# Altium PCB Connect.PcbDoc (part 1 of 2)
Units mm, origin at the board's own origin, x right, y up, seen from the top; angles counter-clockwise.
Board outline 480 x 50 mm, 2 copper layers (Top Layer, Bottom Layer); 349 components, 200 nets, 1147 pads, 734 vias.
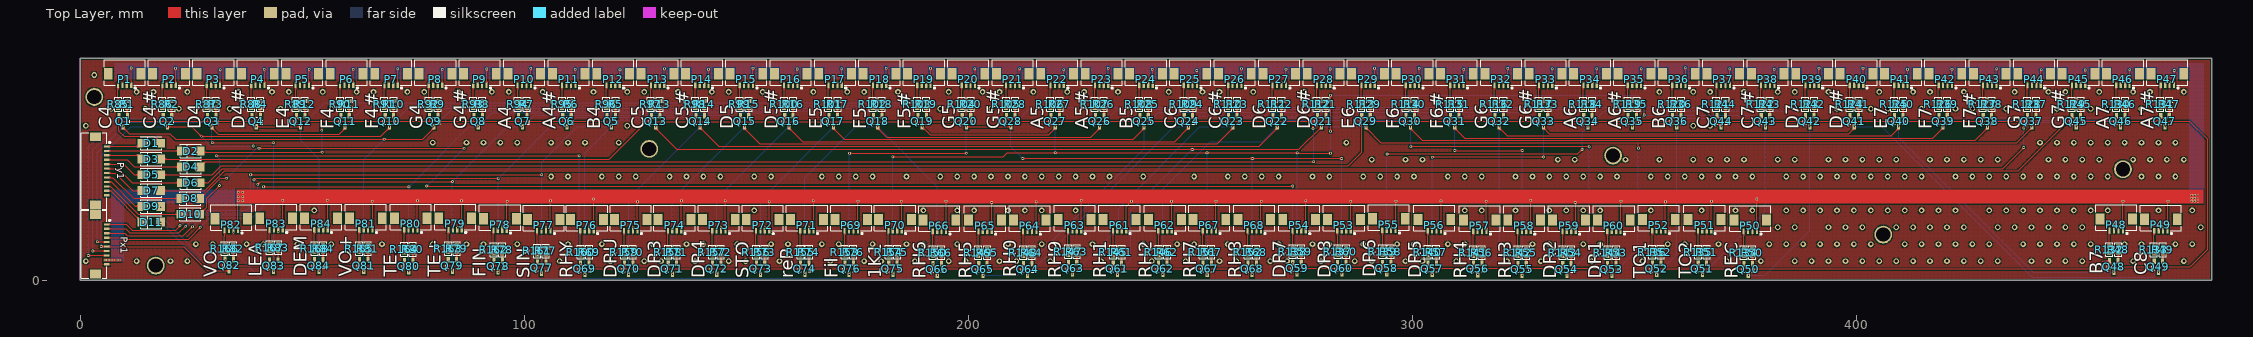
[diagram p0: Top Layer view]
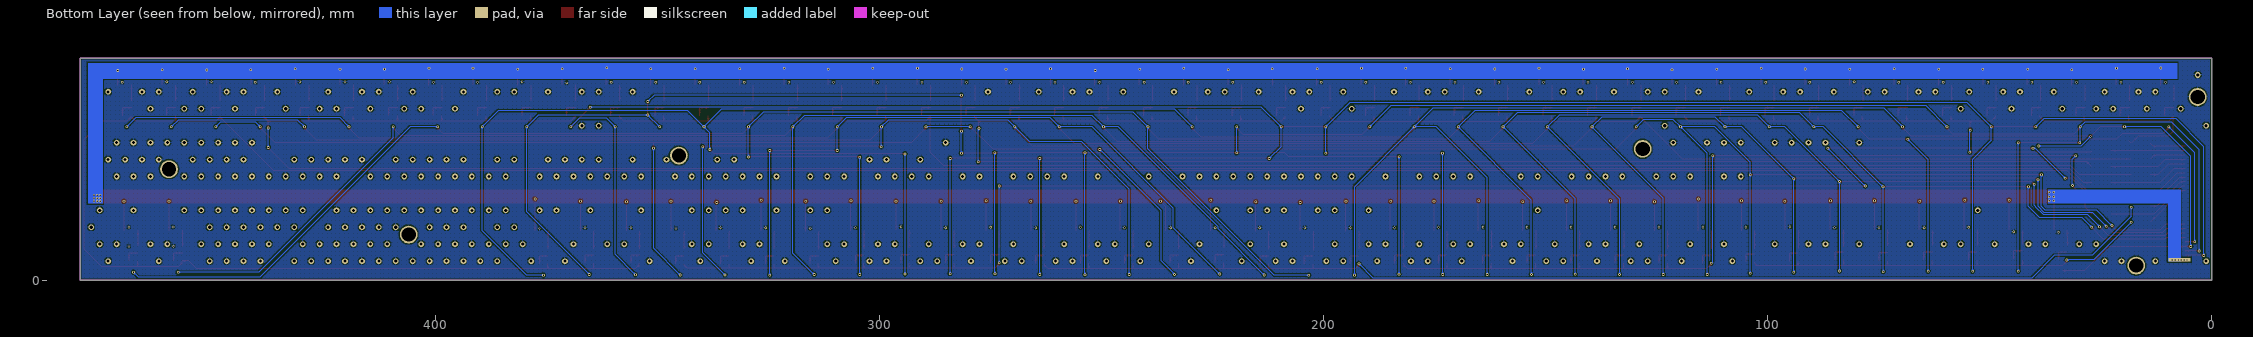
[diagram p1: Bottom Layer view, seen from below]
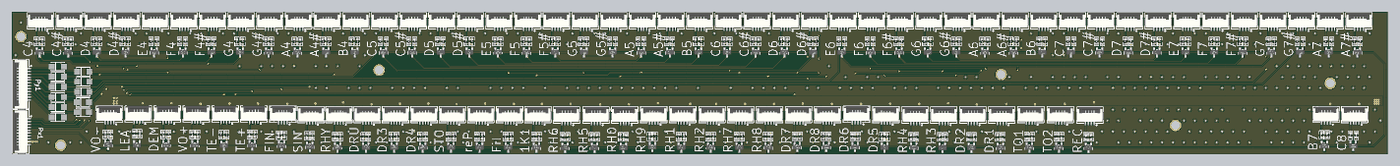
[diagram p3: 3D render of the assembled board from above, using the file's embedded part models]

## Layer stack, top to bottom
Top Solder: solder mask 0.0102, Solder Resist, Dk 3.5
Top Layer: signal copper 0.0356
Dielectric 1: dielectric 0.32, FR-4, Dk 4.8
Bottom Layer: signal copper 0.0356
Bottom Solder: solder mask 0.0102, Solder Resist, Dk 3.5

## Board outline
0,0 0,50 480,50 480,0

## Design rules (kind name [scope] priority, off if disabled: settings)
Clearance [All] p1: gap=0.254
PolygonConnect [All] p1: connectstyle=Relief reliefconductorwidth=0.254 reliefentries=4 polygonreliefangle="90 Angle" airgapwidth=0.254
RoutingVias [All] p1: holewidth=0.3 width=0.6 viastyle="Through Hole" minholewidth=0.3 minwidth=0.6 maxholewidth=0.711 maxwidth=1.27
SolderMaskExpansion [All] p1: expansion=0.102
Width [All] p1: maxlimit=0.254 minlimit=0.254 preferedwidth=0.254
30 further rules are at their usual default settings.

## Classes and differential pairs
component class CONNECT2: P1 P2 P3 P4 P5 P6 P7 P8 P9 P10 P11 P12 P13 P14 P15 P16 P17 P18 P19 P20 R85 R86 R87 R88 R89 R90 R91 R92 R93 R94 R95 R96 R97 R98 R99 R100 R101 R102 R103 R104
component class CONNECT: P21 P22 P23 P24 P25 P26 P27 P28 P29 P30 P31 P32 P33 P34 P35 P36 P37 P38 P39 P40 P41 P42 P43 P44 P45 P46 P47 P48 P49 P50 P51 P52 P53 P54 P55 P56 P57 P58 P59 P60 P61 P62 P63 P64 P65 P66 P67 P68 P69 P70 P71 P72 P73 P74 P75 P76 P77 P78 P79 P80 P81 P82 P83 P84 R105 R106 R107 R108 R109 R110 R111 R112 R113 R114 R115 R116 R117 R118 R119 R120 R121 R122 R123 R124 R125 R126 R127 R128 R129 R130 R131 R132 R133 R134 R135 R136 R137 R138 R139 R140 R141 R142 R143 R144 R145 R146 R147 R148 R149 R150 R151 R152 R153 R154 R155 R156 R157 R158 R159 R160 R161 R163 R164 R165 R166 R167 R168
component class Sheet3: D1 D2 D3 D4 D5 D6 D7 D8 D9 D10 D11 Px1 Py1 Q1 Q2 Q3 Q4 Q5 Q6 Q7 Q8 Q9 Q10 Q11 Q12 Q13 Q14 Q15 Q16 Q17 Q18 Q19 Q20 Q21 Q22 Q23 Q24 Q25 Q26 Q27 Q28 Q29 Q30 Q31 Q32 Q33 Q34 Q35 Q36 Q37 Q38 Q39 Q40 Q41 Q42 Q43 Q44 Q45 Q46 Q47 Q48 Q49 Q50 Q51 Q52 Q53 Q54 Q55 Q56 Q57 Q58 Q59 Q60 Q61 Q62 Q63 Q64 Q65 Q66 Q67 Q68 Q69 Q70 Q71 Q72 Q73 Q74 Q75 Q76 Q77 Q79 Q80 Q81 Q82 Q83 Q84 R1 R2 R3 R4 R5 R6 R7 R8 R9 R10 R11 R12 R13 R14 R15 R16 R17 R18 R19 R20 R21 R22 R23 R24 R25 R26 R27 R28 R29 R30 R31 R32 R33 R34 R35 R36 R37 R38 R39 R40 R41 R42 R43 R44 R45 R46 R47 R48 R49 R50 R51 R52 R53 R54 R55 R56 R57 R58 R59 R60 R61 R62 R63 R64 R65 R66 R67 R68 R69 R70 R71 R72 R73 R74 R75 R76 R77 R79 R80 R81 R82 R83 R84

## Components (designator, comment, footprint, x,y, rotation, side; value= is the part's Value field where it differs from the comment)
D1 "M7" SMA(DO-214AC)_S1 16.002,30.861 r0 top
D2 "M7" SMA(DO-214AC)_S1 24.892,29.083 r0 top
D3 "M7" SMA(DO-214AC)_S1 16.002,27.305 r0 top
D4 "M7" SMA(DO-214AC)_S1 24.892,25.527 r0 top
D5 "M7" SMA(DO-214AC)_S1 16.002,23.749 r0 top
D6 "M7" SMA(DO-214AC)_S1 24.892,21.971 r0 top
D7 "M7" SMA(DO-214AC)_S1 16.002,20.193 r0 top
D8 "M7" SMA(DO-214AC)_S1 24.765,18.415 r0 top
D9 "M7" SMA(DO-214AC)_S1 16.002,16.637 r0 top
D10 "M7" SMA(DO-214AC)_S1 24.765,14.859 r0 top
D11 "M7" SMA(DO-214AC)_S1 16.002,13.081 r0 top
P1 "Header 4" FPC1.0-2H-WS-4P 10,46.5 r180 top
P2 "Header 4" FPC1.0-2H-WS-4P 20,46.5 r180 top
P3 "Header 4" FPC1.0-2H-WS-4P 30,46.5 r180 top
P4 "Header 4" FPC1.0-2H-WS-4P 40,46.5 r180 top
P5 "Header 4" FPC1.0-2H-WS-4P 50,46.5 r180 top
P6 "Header 4" FPC1.0-2H-WS-4P 60,46.5 r180 top
P7 "Header 4" FPC1.0-2H-WS-4P 70,46.5 r180 top
P8 "Header 4" FPC1.0-2H-WS-4P 80,46.5 r180 top
P9 "Header 4" FPC1.0-2H-WS-4P 90,46.5 r180 top
P10 "Header 4" FPC1.0-2H-WS-4P 100,46.5 r180 top
P11 "Header 4" FPC1.0-2H-WS-4P 110,46.5 r180 top
P12 "Header 4" FPC1.0-2H-WS-4P 120,46.5 r180 top
P13 "Header 4" FPC1.0-2H-WS-4P 130,46.5 r180 top
P14 "Header 4" FPC1.0-2H-WS-4P 140,46.5 r180 top
P15 "Header 4" FPC1.0-2H-WS-4P 150,46.5 r180 top
P16 "Header 4" FPC1.0-2H-WS-4P 160,46.5 r180 top
P17 "Header 4" FPC1.0-2H-WS-4P 170,46.5 r180 top
P18 "Header 4" FPC1.0-2H-WS-4P 180,46.5 r180 top
P19 "Header 4" FPC1.0-2H-WS-4P 190,46.5 r180 top
P20 "Header 4" FPC1.0-2H-WS-4P 200,46.5 r180 top
P21 "Header 4" FPC1.0-2H-WS-4P 210,46.5 r180 top
P22 "Header 4" FPC1.0-2H-WS-4P 220,46.5 r180 top
P23 "Header 4" FPC1.0-2H-WS-4P 230,46.5 r180 top
P24 "Header 4" FPC1.0-2H-WS-4P 240,46.5 r180 top
P25 "Header 4" FPC1.0-2H-WS-4P 250,46.5 r180 top
P26 "Header 4" FPC1.0-2H-WS-4P 260,46.5 r180 top
P27 "Header 4" FPC1.0-2H-WS-4P 270,46.5 r180 top
P28 "Header 4" FPC1.0-2H-WS-4P 280,46.5 r180 top
P29 "Header 4" FPC1.0-2H-WS-4P 290,46.5 r180 top
P30 "Header 4" FPC1.0-2H-WS-4P 300,46.5 r180 top
P31 "Header 4" FPC1.0-2H-WS-4P 310,46.5 r180 top
P32 "Header 4" FPC1.0-2H-WS-4P 320,46.5 r180 top
P33 "Header 4" FPC1.0-2H-WS-4P 330,46.5 r180 top
P34 "Header 4" FPC1.0-2H-WS-4P 340,46.5 r180 top
P35 "Header 4" FPC1.0-2H-WS-4P 350,46.5 r180 top
P36 "Header 4" FPC1.0-2H-WS-4P 360,46.5 r180 top
P37 "Header 4" FPC1.0-2H-WS-4P 370,46.5 r180 top
P38 "Header 4" FPC1.0-2H-WS-4P 380,46.5 r180 top
P39 "Header 4" FPC1.0-2H-WS-4P 390,46.5 r180 top
P40 "Header 4" FPC1.0-2H-WS-4P 400,46.5 r180 top
P41 "Header 4" FPC1.0-2H-WS-4P 410,46.5 r180 top
P42 "Header 4" FPC1.0-2H-WS-4P 420,46.5 r180 top
P43 "Header 4" FPC1.0-2H-WS-4P 430,46.5 r180 top
P44 "Header 4" FPC1.0-2H-WS-4P 440,46.5 r180 top
P45 "Header 4" FPC1.0-2H-WS-4P 450,46.5 r180 top
P46 "Header 4" FPC1.0-2H-WS-4P 460,46.5 r180 top
P47 "Header 4" FPC1.0-2H-WS-4P 470,46.5 r180 top
P48 "Header 4" FPC1.0-2H-WS-4P 458.494,13.777 r180 top
P49 "Header 4" FPC1.0-2H-WS-4P 468.537,13.734 r180 top
P50 "Header 4" FPC1.0-2H-WS-4P 376.081,13.589 r180 top
P51 "Header 4" FPC1.0-2H-WS-4P 365.777,13.716 r180 top
P52 "Header 4" FPC1.0-2H-WS-4P 355.481,13.716 r180 top
P53 "Header 4" FPC1.0-2H-WS-4P 284.586,13.716 r180 top
P54 "Header 4" FPC1.0-2H-WS-4P 274.476,13.716 r180 top
P55 "Header 4" FPC1.0-2H-WS-4P 294.695,13.843 r180 top
P56 "Header 4" FPC1.0-2H-WS-4P 304.932,13.716 r180 top
P57 "Header 4" FPC1.0-2H-WS-4P 315.169,13.589 r180 top
P58 "Header 4" FPC1.0-2H-WS-4P 325.152,13.589 r180 top
P59 "Header 4" FPC1.0-2H-WS-4P 335.261,13.589 r180 top
P60 "Header 4" FPC1.0-2H-WS-4P 345.371,13.589 r180 top
P61 "Header 4" FPC1.0-2H-WS-4P 234.037,13.716 r180 top
P62 "Header 4" FPC1.0-2H-WS-4P 244.274,13.716 r180 top
P63 "Header 4" FPC1.0-2H-WS-4P 223.928,13.716 r180 top
P64 "Header 4" FPC1.0-2H-WS-4P 213.818,13.589 r180 top
P65 "Header 4" FPC1.0-2H-WS-4P 203.754,13.589 r180 top
P66 "Header 4" FPC1.0-2H-WS-4P 193.472,13.589 r180 top
P67 "Header 4" FPC1.0-2H-WS-4P 254.257,13.716 r180 top
P68 "Header 4" FPC1.0-2H-WS-4P 264.366,13.716 r180 top
P69 "Header 4" FPC1.0-2H-WS-4P 173.633,13.716 r180 top
P70 "Header 4" FPC1.0-2H-WS-4P 183.489,13.716 r180 top
P71 "Header 4" FPC1.0-2H-WS-4P 163.651,13.716 r180 top
P72 "Header 4" FPC1.0-2H-WS-4P 153.668,13.716 r180 top
P73 "Header 4" FPC1.0-2H-WS-4P 143.812,13.716 r180 top
P74 "Header 4" FPC1.0-2H-WS-4P 133.83,13.716 r180 top
P75 "Header 4" FPC1.0-2H-WS-4P 123.974,13.716 r180 top
P76 "Header 4" FPC1.0-2H-WS-4P 114.118,13.716 r180 top
P77 "Header 4" FPC1.0-2H-WS-4P 104.39,13.716 r180 top
P78 "Header 4" FPC1.0-2H-WS-4P 94.534,13.843 r180 top
P79 "Header 4" FPC1.0-2H-WS-4P 84.424,13.97 r180 top
P80 "Header 4" FPC1.0-2H-WS-4P 74.442,13.97 r180 top
P81 "Header 4" FPC1.0-2H-WS-4P 64.332,13.97 r180 top
P82 "Header 4" FPC1.0-2H-WS-4P 34.003,13.843 r180 top
P83 "Header 4" FPC1.0-2H-WS-4P 44.113,13.97 r180 top
P84 "Header 4" FPC1.0-2H-WS-4P 54.222,13.97 r180 top
Px1 "Header 10" FPC1.0-2H-WS-10P 3.429,8.087 r270 top
Py1 "Header 12" FPC1.0-2H-WS-12P 3.429,24.638 r270 top
Q1 "SS8050 Y1" SOT-23(SOT-23-3) 9.652,35.814 r90 top
Q2 "SS8050 Y1" SOT-23(SOT-23-3) 19.648,35.814 r90 top
Q3 "SS8050 Y1" SOT-23(SOT-23-3) 29.644,35.814 r90 top
Q4 "SS8050 Y1" SOT-23(SOT-23-3) 39.64,35.814 r90 top
Q5 "SS8050 Y1" SOT-23(SOT-23-3) 119.608,35.814 r90 top
Q6 "SS8050 Y1" SOT-23(SOT-23-3) 109.612,35.814 r90 top
Q7 "SS8050 Y1" SOT-23(SOT-23-3) 99.616,35.814 r90 top
Q8 "SS8050 Y1" SOT-23(SOT-23-3) 89.62,35.814 r90 top
Q9 "SS8050 Y1" SOT-23(SOT-23-3) 79.624,35.814 r90 top
Q10 "SS8050 Y1" SOT-23(SOT-23-3) 69.628,35.814 r90 top
Q11 "SS8050 Y1" SOT-23(SOT-23-3) 59.632,35.814 r90 top
Q12 "SS8050 Y1" SOT-23(SOT-23-3) 49.636,35.814 r90 top
Q13 "SS8050 Y1" SOT-23(SOT-23-3) 129.603,35.814 r90 top
Q14 "SS8050 Y1" SOT-23(SOT-23-3) 139.599,35.814 r90 top
Q15 "SS8050 Y1" SOT-23(SOT-23-3) 149.595,35.814 r90 top
Q16 "SS8050 Y1" SOT-23(SOT-23-3) 159.591,35.814 r90 top
Q17 "SS8050 Y1" SOT-23(SOT-23-3) 169.587,35.814 r90 top
Q18 "SS8050 Y1" SOT-23(SOT-23-3) 179.583,35.814 r90 top
Q19 "SS8050 Y1" SOT-23(SOT-23-3) 189.579,35.814 r90 top
Q20 "SS8050 Y1" SOT-23(SOT-23-3) 199.575,35.814 r90 top
Q21 "SS8050 Y1" SOT-23(SOT-23-3) 279.543,35.814 r90 top
Q22 "SS8050 Y1" SOT-23(SOT-23-3) 269.547,35.814 r90 top
Q23 "SS8050 Y1" SOT-23(SOT-23-3) 259.551,35.814 r90 top
Q24 "SS8050 Y1" SOT-23(SOT-23-3) 249.555,35.814 r90 top
Q25 "SS8050 Y1" SOT-23(SOT-23-3) 239.559,35.814 r90 top
Q26 "SS8050 Y1" SOT-23(SOT-23-3) 229.563,35.814 r90 top
Q27 "SS8050 Y1" SOT-23(SOT-23-3) 219.567,35.814 r90 top
Q28 "SS8050 Y1" SOT-23(SOT-23-3) 209.571,35.814 r90 top
Q29 "SS8050 Y1" SOT-23(SOT-23-3) 289.539,35.814 r90 top
Q30 "SS8050 Y1" SOT-23(SOT-23-3) 299.535,35.814 r90 top
Q31 "SS8050 Y1" SOT-23(SOT-23-3) 309.531,35.814 r90 top
Q32 "SS8050 Y1" SOT-23(SOT-23-3) 319.527,35.814 r90 top
Q33 "SS8050 Y1" SOT-23(SOT-23-3) 329.523,35.814 r90 top
Q34 "SS8050 Y1" SOT-23(SOT-23-3) 339.519,35.814 r90 top
Q35 "SS8050 Y1" SOT-23(SOT-23-3) 349.515,35.814 r90 top
Q36 "SS8050 Y1" SOT-23(SOT-23-3) 359.51,35.814 r90 top
Q37 "SS8050 Y1" SOT-23(SOT-23-3) 439.478,35.814 r90 top
Q38 "SS8050 Y1" SOT-23(SOT-23-3) 429.482,35.814 r90 top
Q39 "SS8050 Y1" SOT-23(SOT-23-3) 419.486,35.814 r90 top
Q40 "SS8050 Y1" SOT-23(SOT-23-3) 409.49,35.814 r90 top
Q41 "SS8050 Y1" SOT-23(SOT-23-3) 399.494,35.814 r90 top
Q42 "SS8050 Y1" SOT-23(SOT-23-3) 389.498,35.814 r90 top
Q43 "SS8050 Y1" SOT-23(SOT-23-3) 379.502,35.814 r90 top
Q44 "SS8050 Y1" SOT-23(SOT-23-3) 369.506,35.814 r90 top
Q45 "SS8050 Y1" SOT-23(SOT-23-3) 449.474,35.814 r90 top
Q46 "SS8050 Y1" SOT-23(SOT-23-3) 459.47,35.814 r90 top
Q47 "SS8050 Y1" SOT-23(SOT-23-3) 469.466,35.814 r90 top
Q48 "SS8050 Y1" SOT-23(SOT-23-3) 457.956,3.091 r90 top
Q49 "SS8050 Y1" SOT-23(SOT-23-3) 467.995,3.048 r90 top
Q50 "SS8050 Y1" SOT-23(SOT-23-3) 375.614,2.433 r90 top
Q51 "SS8050 Y1" SOT-23(SOT-23-3) 365.31,2.56 r90 top
Q52 "SS8050 Y1" SOT-23(SOT-23-3) 355.013,2.56 r90 top
Q53 "SS8050 Y1" SOT-23(SOT-23-3) 344.903,2.433 r90 top
Q54 "SS8050 Y1" SOT-23(SOT-23-3) 334.793,2.433 r90 top
Q55 "SS8050 Y1" SOT-23(SOT-23-3) 324.683,2.433 r90 top
Q56 "SS8050 Y1" SOT-23(SOT-23-3) 314.706,2.54 r90 top
Q57 "SS8050 Y1" SOT-23(SOT-23-3) 304.463,2.56 r90 top
Q58 "SS8050 Y1" SOT-23(SOT-23-3) 294.226,2.687 r90 top
Q59 "SS8050 Y1" SOT-23(SOT-23-3) 274.007,2.687 r90 top
Q60 "SS8050 Y1" SOT-23(SOT-23-3) 284.117,2.687 r90 top
Q61 "SS8050 Y1" SOT-23(SOT-23-3) 233.567,2.56 r90 top
Q62 "SS8050 Y1" SOT-23(SOT-23-3) 243.804,2.56 r90 top
Q63 "SS8050 Y1" SOT-23(SOT-23-3) 223.457,2.687 r90 top
Q64 "SS8050 Y1" SOT-23(SOT-23-3) 213.347,2.433 r90 top
Q65 "SS8050 Y1" SOT-23(SOT-23-3) 203.283,2.433 r90 top
Q66 "SS8050 Y1" SOT-23(SOT-23-3) 193,2.433 r90 top
Q67 "SS8050 Y1" SOT-23(SOT-23-3) 253.787,2.56 r90 top
Q68 "SS8050 Y1" SOT-23(SOT-23-3) 263.897,2.56 r90 top
Q69 "SS8050 Y1" SOT-23(SOT-23-3) 113.645,2.56 r90 top
Q70 "SS8050 Y1" SOT-23(SOT-23-3) 123.501,2.56 r90 top
Q71 "SS8050 Y1" SOT-23(SOT-23-3) 133.357,2.56 r90 top
Q72 "SS8050 Y1" SOT-23(SOT-23-3) 143.34,2.56 r90 top
Q73 "SS8050 Y1" SOT-23(SOT-23-3) 153.196,2.56 r90 top
Q74 "SS8050 Y1" SOT-23(SOT-23-3) 163.179,2.56 r90 top
Q75 "SS8050 Y1" SOT-23(SOT-23-3) 183.018,2.56 r90 top
Q76 "SS8050 Y1" SOT-23(SOT-23-3) 173.162,2.56 r90 top
Q77 "SS8050 Y1" SOT-23(SOT-23-3) 103.916,2.814 r90 top
Q78 "SS8050 Y1" SOT-23(SOT-23-3) 94.107,3.155 r90 top
Q79 "SS8050 Y1" SOT-23(SOT-23-3) 83.824,3.322 r90 top
Q80 "SS8050 Y1" SOT-23(SOT-23-3) 73.968,3.195 r90 top
Q81 "SS8050 Y1" SOT-23(SOT-23-3) 63.858,3.322 r90 top
Q82 "SS8050 Y1" SOT-23(SOT-23-3) 33.528,3.429 r90 top
Q83 "SS8050 Y1" SOT-23(SOT-23-3) 43.561,3.282 r90 top
Q84 "SS8050 Y1" SOT-23(SOT-23-3) 53.748,3.322 r90 top
R1 "10KΩ (1002) ±1%" 0603_R 10.561,39.624 r270 top
R2 "10KΩ (1002) ±1%" 0603_R 20.559,39.624 r270 top
R3 "10KΩ (1002) ±1%" 0603_R 30.557,39.624 r270 top
R4 "10KΩ (1002) ±1%" 0603_R 40.556,39.624 r270 top
R5 "10KΩ (1002) ±1%" 0603_R 120.541,39.624 r270 top
R6 "10KΩ (1002) ±1%" 0603_R 110.543,39.624 r270 top
R7 "10KΩ (1002) ±1%" 0603_R 100.545,39.624 r270 top
R8 "10KΩ (1002) ±1%" 0603_R 90.547,39.624 r270 top
R9 "10KΩ (1002) ±1%" 0603_R 80.548,39.624 r270 top
R10 "10KΩ (1002) ±1%" 0603_R 70.55,39.624 r270 top
R11 "10KΩ (1002) ±1%" 0603_R 60.552,39.624 r270 top
R12 "10KΩ (1002) ±1%" 0603_R 50.554,39.624 r270 top
R13 "10KΩ (1002) ±1%" 0603_R 130.539,39.624 r270 top
R14 "10KΩ (1002) ±1%" 0603_R 140.537,39.624 r270 top
R15 "10KΩ (1002) ±1%" 0603_R 150.536,39.624 r270 top
R16 "10KΩ (1002) ±1%" 0603_R 160.534,39.624 r270 top
R17 "10KΩ (1002) ±1%" 0603_R 170.532,39.624 r270 top
R18 "10KΩ (1002) ±1%" 0603_R 180.53,39.624 r270 top
R19 "10KΩ (1002) ±1%" 0603_R 190.528,39.624 r270 top
R20 "10KΩ (1002) ±1%" 0603_R 200.527,39.624 r270 top
R21 "10KΩ (1002) ±1%" 0603_R 280.512,39.624 r270 top
R22 "10KΩ (1002) ±1%" 0603_R 270.514,39.624 r270 top
R23 "10KΩ (1002) ±1%" 0603_R 260.516,39.624 r270 top
R24 "10KΩ (1002) ±1%" 0603_R 250.518,39.624 r270 top
R25 "10KΩ (1002) ±1%" 0603_R 240.519,39.624 r270 top
R26 "10KΩ (1002) ±1%" 0603_R 230.521,39.624 r270 top
R27 "10KΩ (1002) ±1%" 0603_R 220.523,39.624 r270 top
R28 "10KΩ (1002) ±1%" 0603_R 210.525,39.624 r270 top
R29 "10KΩ (1002) ±1%" 0603_R 290.51,39.624 r270 top
R30 "10KΩ (1002) ±1%" 0603_R 300.508,39.624 r270 top
R31 "10KΩ (1002) ±1%" 0603_R 310.507,39.624 r270 top
R32 "10KΩ (1002) ±1%" 0603_R 320.505,39.624 r270 top
R33 "10KΩ (1002) ±1%" 0603_R 330.503,39.624 r270 top
R34 "10KΩ (1002) ±1%" 0603_R 340.501,39.624 r270 top
R35 "10KΩ (1002) ±1%" 0603_R 350.499,39.624 r270 top
R36 "10KΩ (1002) ±1%" 0603_R 360.498,39.624 r270 top
R37 "10KΩ (1002) ±1%" 0603_R 440.483,39.624 r270 top
R38 "10KΩ (1002) ±1%" 0603_R 430.485,39.624 r270 top
R39 "10KΩ (1002) ±1%" 0603_R 420.487,39.624 r270 top
R40 "10KΩ (1002) ±1%" 0603_R 410.489,39.624 r270 top
R41 "10KΩ (1002) ±1%" 0603_R 400.49,39.624 r270 top
R42 "10KΩ (1002) ±1%" 0603_R 390.492,39.624 r270 top
R43 "10KΩ (1002) ±1%" 0603_R 380.494,39.624 r270 top
R44 "10KΩ (1002) ±1%" 0603_R 370.496,39.624 r270 top
R45 "10KΩ (1002) ±1%" 0603_R 450.481,39.624 r270 top
R46 "10KΩ (1002) ±1%" 0603_R 460.479,39.624 r270 top
R47 "10KΩ (1002) ±1%" 0603_R 470.478,39.624 r270 top
R48 "10KΩ (1002) ±1%" 0603_R 458.97,6.901 r270 top
R49 "10KΩ (1002) ±1%" 0603_R 469.011,6.858 r270 top
R50 "10KΩ (1002) ±1%" 0603_R 376.555,6.223 r270 top
R51 "10KΩ (1002) ±1%" 0603_R 366.251,6.35 r270 top
R52 "10KΩ (1002) ±1%" 0603_R 355.953,6.35 r270 top
R53 "10KΩ (1002) ±1%" 0603_R 345.843,6.223 r270 top
R54 "10KΩ (1002) ±1%" 0603_R 335.732,6.223 r270 top
R55 "10KΩ (1002) ±1%" 0603_R 325.622,6.223 r270 top
R56 "10KΩ (1002) ±1%" 0603_R 315.639,6.223 r270 top
R57 "10KΩ (1002) ±1%" 0603_R 305.401,6.35 r270 top
R58 "10KΩ (1002) ±1%" 0603_R 295.164,6.477 r270 top
R59 "10KΩ (1002) ±1%" 0603_R 274.943,6.477 r270 top
R60 "10KΩ (1002) ±1%" 0603_R 285.054,6.477 r270 top
R61 "10KΩ (1002) ±1%" 0603_R 234.502,6.35 r270 top
R62 "10KΩ (1002) ±1%" 0603_R 244.739,6.35 r270 top
R63 "10KΩ (1002) ±1%" 0603_R 224.391,6.477 r270 top
R64 "10KΩ (1002) ±1%" 0603_R 214.281,6.223 r270 top
R65 "10KΩ (1002) ±1%" 0603_R 204.216,6.223 r270 top
R66 "10KΩ (1002) ±1%" 0603_R 193.933,6.223 r270 top
R67 "10KΩ (1002) ±1%" 0603_R 254.723,6.35 r270 top
R68 "10KΩ (1002) ±1%" 0603_R 264.833,6.35 r270 top
R69 "10KΩ (1002) ±1%" 0603_R 114.574,6.35 r270 top
R70 "10KΩ (1002) ±1%" 0603_R 124.431,6.35 r270 top
R71 "10KΩ (1002) ±1%" 0603_R 134.287,6.35 r270 top
R72 "10KΩ (1002) ±1%" 0603_R 144.271,6.35 r270 top
R73 "10KΩ (1002) ±1%" 0603_R 154.127,6.35 r270 top
R74 "10KΩ (1002) ±1%" 0603_R 164.11,6.35 r270 top
R75 "10KΩ (1002) ±1%" 0603_R 183.95,6.35 r270 top
R76 "10KΩ (1002) ±1%" 0603_R 174.094,6.35 r270 top
R77 "10KΩ (1002) ±1%" 0603_R 104.845,6.604 r270 top
R78 "10KΩ (1002) ±1%" 0603_R 94.989,6.858 r270 top
R79 "10KΩ (1002) ±1%" 0603_R 84.751,7.112 r270 top
R80 "10KΩ (1002) ±1%" 0603_R 74.895,6.985 r270 top
R81 "10KΩ (1002) ±1%" 0603_R 64.785,7.112 r270 top
R82 "10KΩ (1002) ±1%" 0603_R 34.454,7.112 r270 top
R83 "10KΩ (1002) ±1%" 0603_R 44.564,7.366 r270 top
R84 "10KΩ (1002) ±1%" 0603_R 54.674,7.112 r270 top
R85 "1KΩ (1001) ±1%" 0603_R 8.509,39.624 r90 top
R86 "1KΩ (1001) ±1%" 0603_R 18.508,39.624 r90 top
R87 "1KΩ (1001) ±1%" 0603_R 28.506,39.624 r90 top
R88 "1KΩ (1001) ±1%" 0603_R 38.505,39.624 r90 top
R89 "1KΩ (1001) ±1%" 0603_R 48.503,39.624 r90 top
R90 "1KΩ (1001) ±1%" 0603_R 58.502,39.624 r90 top
R91 "1KΩ (1001) ±1%" 0603_R 68.501,39.624 r90 top
R92 "1KΩ (1001) ±1%" 0603_R 78.499,39.624 r90 top
R93 "1KΩ (1001) ±1%" 0603_R 88.498,39.624 r90 top
R94 "1KΩ (1001) ±1%" 0603_R 98.496,39.624 r90 top
R95 "1KΩ (1001) ±1%" 0603_R 108.495,39.624 r90 top
R96 "1KΩ (1001) ±1%" 0603_R 118.494,39.624 r90 top
R97 "1KΩ (1001) ±1%" 0603_R 128.492,39.624 r90 top
R98 "1KΩ (1001) ±1%" 0603_R 138.491,39.624 r90 top
R99 "1KΩ (1001) ±1%" 0603_R 148.489,39.624 r90 top
R100 "1KΩ (1001) ±1%" 0603_R 158.488,39.624 r90 top
R101 "1KΩ (1001) ±1%" 0603_R 168.487,39.624 r90 top
R102 "1KΩ (1001) ±1%" 0603_R 178.485,39.624 r90 top
R103 "1KΩ (1001) ±1%" 0603_R 188.484,39.624 r90 top
R104 "1KΩ (1001) ±1%" 0603_R 198.482,39.624 r90 top
R105 "1KΩ (1001) ±1%" 0603_R 208.481,39.624 r90 top
R106 "1KΩ (1001) ±1%" 0603_R 218.48,39.624 r90 top
R107 "1KΩ (1001) ±1%" 0603_R 228.478,39.624 r90 top
R108 "1KΩ (1001) ±1%" 0603_R 238.477,39.624 r90 top
R109 "1KΩ (1001) ±1%" 0603_R 248.475,39.624 r90 top
R110 "1KΩ (1001) ±1%" 0603_R 258.474,39.624 r90 top
R111 "1KΩ (1001) ±1%" 0603_R 268.473,39.624 r90 top
R112 "1KΩ (1001) ±1%" 0603_R 278.471,39.624 r90 top
R113 "1KΩ (1001) ±1%" 0603_R 288.47,39.624 r90 top
R114 "1KΩ (1001) ±1%" 0603_R 298.468,39.624 r90 top
R115 "1KΩ (1001) ±1%" 0603_R 308.467,39.624 r90 top
R116 "1KΩ (1001) ±1%" 0603_R 318.466,39.624 r90 top
R117 "1KΩ (1001) ±1%" 0603_R 328.464,39.624 r90 top
R118 "1KΩ (1001) ±1%" 0603_R 338.463,39.624 r90 top
R119 "1KΩ (1001) ±1%" 0603_R 348.462,39.624 r90 top
R120 "1KΩ (1001) ±1%" 0603_R 358.46,39.624 r90 top
R121 "1KΩ (1001) ±1%" 0603_R 368.459,39.624 r90 top
R122 "1KΩ (1001) ±1%" 0603_R 378.457,39.624 r90 top
R123 "1KΩ (1001) ±1%" 0603_R 388.456,39.624 r90 top
R124 "1KΩ (1001) ±1%" 0603_R 398.455,39.624 r90 top
R125 "1KΩ (1001) ±1%" 0603_R 408.453,39.624 r90 top
R126 "1KΩ (1001) ±1%" 0603_R 418.452,39.624 r90 top
R127 "1KΩ (1001) ±1%" 0603_R 428.45,39.624 r90 top
R128 "1KΩ (1001) ±1%" 0603_R 438.449,39.624 r90 top
R129 "1KΩ (1001) ±1%" 0603_R 448.448,39.624 r90 top
R130 "1KΩ (1001) ±1%" 0603_R 458.446,39.624 r90 top
R131 "1KΩ (1001) ±1%" 0603_R 468.445,39.624 r90 top
R132 "1KΩ (1001) ±1%" 0603_R 456.937,6.901 r90 top
R133 "1KΩ (1001) ±1%" 0603_R 466.979,6.858 r90 top
R134 "1KΩ (1001) ±1%" 0603_R 374.65,6.223 r90 top
R135 "1KΩ (1001) ±1%" 0603_R 364.345,6.35 r90 top
R136 "1KΩ (1001) ±1%" 0603_R 354.048,6.35 r90 top
R137 "1KΩ (1001) ±1%" 0603_R 283.149,6.477 r90 top
R138 "1KΩ (1001) ±1%" 0603_R 273.038,6.477 r90 top
R139 "1KΩ (1001) ±1%" 0603_R 293.259,6.477 r90 top
R140 "1KΩ (1001) ±1%" 0603_R 303.496,6.35 r90 top
R141 "1KΩ (1001) ±1%" 0603_R 313.734,6.223 r90 top
R142 "1KΩ (1001) ±1%" 0603_R 323.717,6.223 r90 top
R143 "1KΩ (1001) ±1%" 0603_R 333.827,6.223 r90 top
R144 "1KΩ (1001) ±1%" 0603_R 343.938,6.223 r90 top
R145 "1KΩ (1001) ±1%" 0603_R 232.597,6.35 r90 top